# KiCad board DecentXE.kicad_pcb (continued)
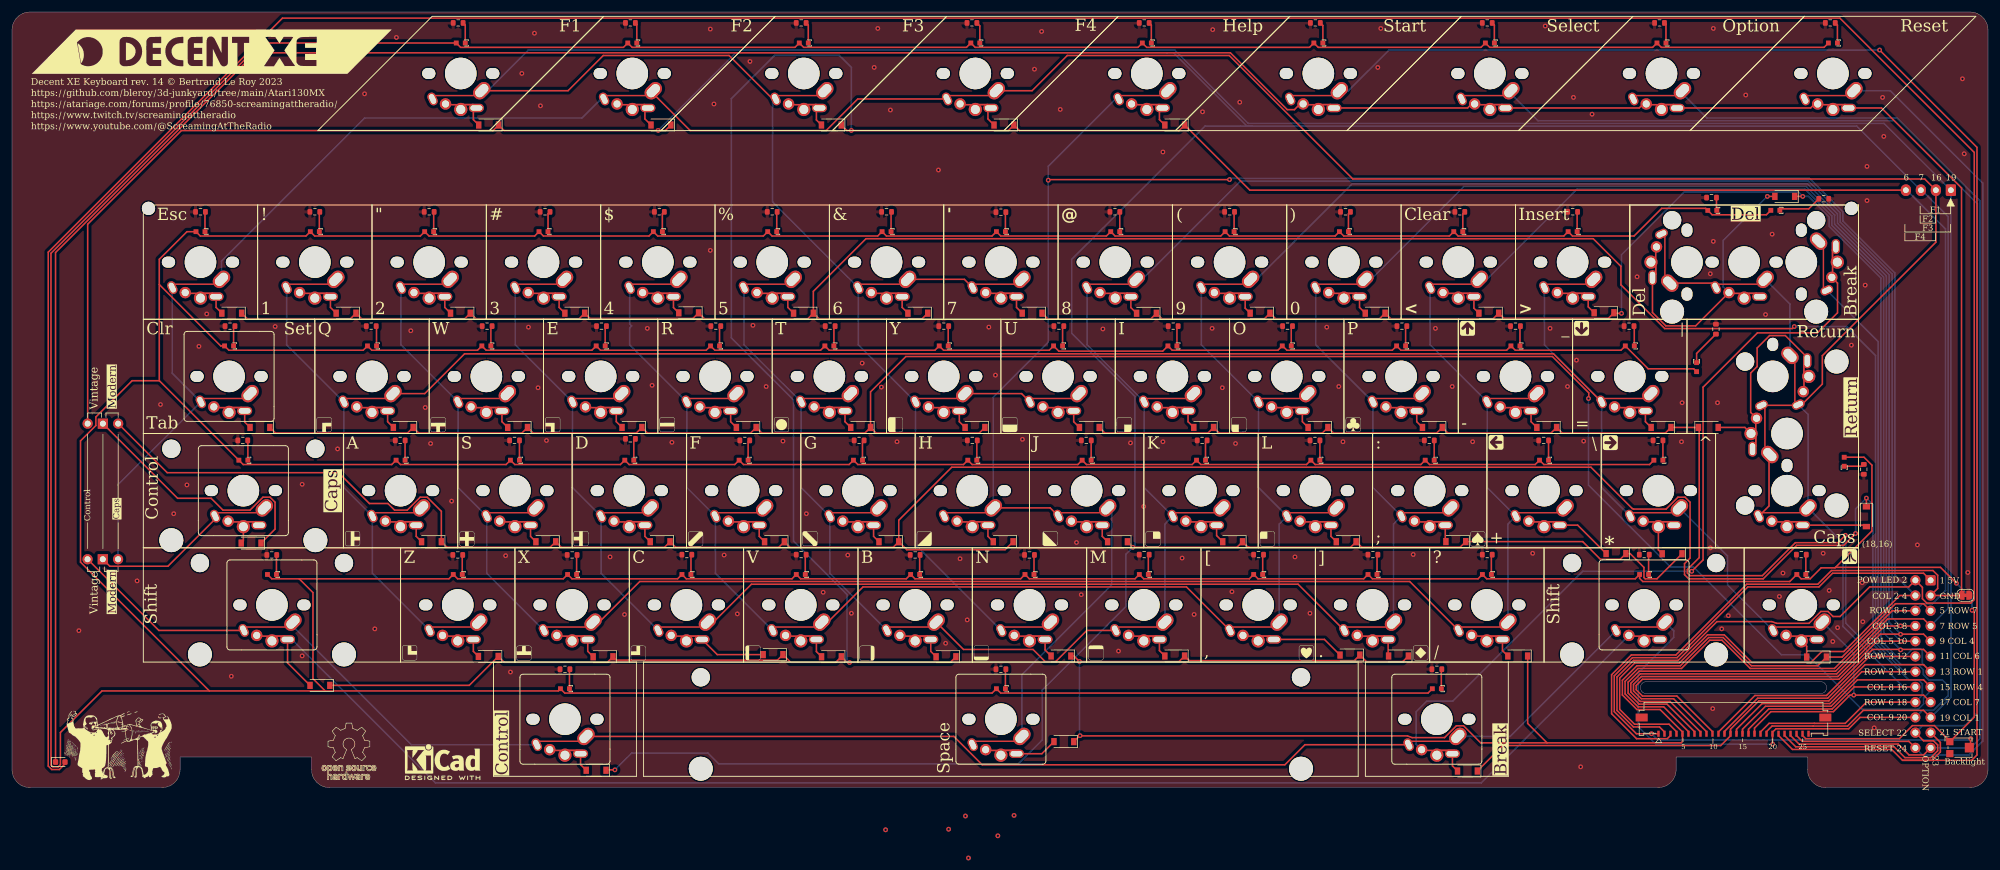
[diagram p0: board, top side]
## Routing (per net, layer and track width the routed paths; a pad name or vN(x,y) marks a point on that pad's centre or on a via; arc(x,y) is an arc through that point) (continued)
Net-(D112-A): length 3.2
  Top w0.25: SW1.2 53.05,80.05 54.01,79.09
Net-(D113-A): length 3.2
  Top w0.25: SWEqual1.2 272.12,61 D113.2
Net-(D114-A): length 3.2
  Top w0.25: 62.58,62.8 62.58,61 D114.2
Net-(D115-A): length 4.8
  Top w0.25: D115.2 274.29,39.62 SWStar1.2
Net-(D116-A): length 3.1
  Top w0.25: D116.2 67.34,41.88 SWA1.2
Net-(D117-A): length 3.1
  Top w0.25: D117.2 298.99,23.56 SWInv1.2
Net-(D118-A): length 3.2
  Top w0.25: SWZ1.2 76.86,22.71 D118.2
Net-(D119-A): length 42.5
  Top w0.25: SWDel1.2 273.3,79.2 275.52,76.98 280.49,76.98 SWDel2.2 ; v1(292.44,98.56) D119.2
  Bottom w0.25: v1(292.44,98.56) 285.09,91.21 285.09,83.47 SWDel2.2
Net-(D120-A): length 3.2
  Top w0.25: SWEsc1.2 34,80.05 D120.2
Net-(D121-A): length 29.2
  Top w0.25: SWRet2.2 288.7,60.04 D121.2 ; SWRet2.2 289.66,62.54 289.66,69.12 290.74,70.2 290.74,73.29 292.81,75.35 295.43,75.35 299.09,71.7
Net-(D122-A): length 3.1
  Top w0.25: D122.2 38.76,60.93 SWTab1.2
Net-(D123-A): length 3.3
  Top w0.25: D123.2 105.44,111.48 105.44,113.3
Net-(D124-A): length 10.4
  Top w0.25: SWCps1.2 308.7,43.75
Net-(D125-A): length 3.3
  Top w0.25: D125.2 162.59,111.48 162.59,113.3
Net-(D126-A): length 130.9
  Top w0.25: SWBrk2.2 239.98,3.61 D126.2 ; SWBrk1.2 304.13,84.11 304.13,79.15 300.78,75.8 290.78,75.8 281.73,66.75 281.73,37.95 v1(279.84,36.06)
  Bottom w0.25: SWBrk2.2 233.94,7.22 233.94,12.66 235.68,14.4 240.01,14.4 261.67,36.06 v1(279.84,36.06)
Net-(D127-A): length 3.1
  Top w0.25: SWCtl1.2 94.72,3.83 D127.2
Net-(D128-A): length 252
  Top w0.25: SWLeftSft1.2 45.91,20.78 D128.2
  Bottom w0.25: 46.63,24.7 70.55,0.78 244.77,0.78 SWRightSft1.2
Net-(JP1-C): length 22.5
  Top w0.25: 33.84,44.76 25.98,36.89 16.3,36.89 15.13,38.07
Net-(R1-Pad1): length 3.2
  Top w0.25: 165.5,95.86 SW7.3
Net-(R2-Pad1): length 3.2
  Top w0.25: 146.45,95.91 SW6.3
Net-(R3-Pad1): length 3.1
  Top w0.25: 175.02,76.73 SWU1.3
Net-(R4-Pad1): length 3.2
  Top w0.25: 155.98,76.86 SWY1.3
Net-(R5-Pad1): length 3.5
  Top w0.25: R5.1 75.51,127.12 SWFn1.3
Net-(R6-Pad1): length 3.2
  Top w0.25: 170.26,38.71 SWN1.3
Net-(R7-Pad1): length 3.5
  Top w0.25: R7.1 132.66,127.12 SWFn3.3
Net-(R8-Pad1): length 3.3
  Top w0.25: 179.79,57.87 SWJ1.3
Net-(R9-Pad1): length 3.2
  Top w0.25: 160.74,57.81 SWH1.3
Net-(R10-Pad1): length 3.2
  Top w0.25: 165.5,19.66 SWSpc1.3
Net-(R11-Pad1): length 3.5
  Top w0.25: 189.45,127.48 189.81,127.12 SWHlp1.3
Net-(R12-Pad1): length 3.3
  Top w0.25: 184.55,95.97 SW8.3
Net-(R13-Pad1): length 3.2
  Top w0.25: 127.4,95.91 SW5.3
Net-(R14-Pad1): length 3.1
  Top w0.25: 194.07,76.73 SWI1.3
Net-(R15-Pad1): length 3.1
  Top w0.25: 136.93,76.73 SWT1.3
Net-(R16-Pad1): length 3
  Top w0.25: 198.84,57.62 SWK1.3
Net-(R17-Pad1): length 3
  Top w0.25: 141.69,57.62 SWG1.3
Net-(R18-Pad1): length 3.2
  Top w0.25: 189.31,38.69 SWM1.3
Net-(R19-Pad1): length 3.2
  Top w0.25: 151.21,38.71 SWB1.3
Net-(R20-Pad1): length 3.2
  Top w0.25: 203.6,95.91 SW9.3
Net-(R21-Pad1): length 3.4
  Top w0.25: R21.1 108.35,95.65 SW4.3
Net-(R22-Pad1): length 3.1
  Top w0.25: 213.12,76.73 SWO1.3
Net-(R23-Pad1): length 3.1
  Top w0.25: 117.88,76.73 SWR1.3
Net-(R24-Pad1): length 3.3
  Top w0.25: 217.89,57.87 SWL1.3
Net-(R25-Pad1): length 3
  Top w0.25: 122.64,57.62 SWF1.3
Net-(R26-Pad1): length 3.2
  Top w0.25: 208.36,38.69 SWComma1.3
Net-(R27-Pad1): length 3.2
  Top w0.25: 132.16,38.69 SWV1.3
Net-(R28-Pad1): length 3.4
  Top w0.25: R28.1 222.65,95.65 SW0.3
Net-(R29-Pad1): length 3.4
  Top w0.25: R29.1 89.3,95.65 SW3.3
Net-(R30-Pad1): length 3.1
  Top w0.25: 232.18,76.73 SWP1.3
Net-(R31-Pad1): length 3.1
  Top w0.25: 98.83,76.73 SWE1.3
Net-(R32-Pad1): length 3.3
  Top w0.25: 236.94,57.87 SWSemi1.3
Net-(R33-Pad1): length 3.3
  Top w0.25: 103.59,57.87 SWD1.3
Net-(R34-Pad1): length 3.2
  Top w0.25: 227.41,38.69 SWPeriod1.3
Net-(R35-Pad1): length 3.2
  Top w0.25: 113.11,38.69 SWC1.3
Net-(R36-Pad1): length 3.4
  Top w0.25: R36.1 241.7,95.65 SWLT1.3
Net-(R37-Pad1): length 3.2
  Top w0.25: 70.25,95.91 SW2.3
Net-(R38-Pad1): length 3.2
  Top w0.25: 251.22,76.86 SWDash1.3
Net-(R39-Pad1): length 3.1
  Top w0.25: 79.78,76.73 SWW1.3
Net-(R40-Pad1): length 3.3
  Top w0.25: 255.99,57.87 SWPlus1.3
Net-(R41-Pad1): length 3.3
  Top w0.25: 84.54,57.87 SWS1.3
Net-(R42-Pad1): length 3.2
  Top w0.25: 246.46,38.69 SWSlash1.3
Net-(R43-Pad1): length 3.2
  Top w0.25: 94.06,38.71 SWX1.3
Net-(R44-Pad1): length 3.2
  Top w0.25: 260.75,95.91 SWGT1.3
Net-(R45-Pad1): length 3.2
  Top w0.25: 51.2,95.91 SW1.3
Net-(R46-Pad1): length 3.2
  Top w0.25: 270.27,76.88 SWEqual1.3
Net-(R47-Pad1): length 3.2
  Top w0.25: 60.72,76.88 SWQ1.3
Net-(R48-Pad1): length 3.3
  Top w0.25: 275.04,57.87 SWStar1.3
Net-(R49-Pad1): length 3.3
  Top w0.25: 65.49,57.87 SWA1.3
Net-(R50-Pad1): length 3.2
  Top w0.25: 298.85,38.76 SWInv1.3
Net-(R51-Pad1): length 3.2
  Top w0.25: 75.01,38.71 SWZ1.3
Net-(R52-Pad1): length 2.1
  Top w0.25: R52.1 283.96,96.27
Net-(R53-Pad2): length 3.2
  Top w0.25: 32.15,95.91 SWEsc1.3
Net-(R54-Pad1): length 6.1
  Top w0.25: SWRet1.3 280.65,72.38 R54.1
Net-(R55-Pad1): length 3.1
  Top w0.25: 36.91,76.7 SWTab1.3
Net-(R56-Pad1): length 3.4
  Top w0.25: SWFn2.3 104.09,127.24 103.85,127.48
Net-(R57-Pad1): length 3.4
  Top w0.25: R57.1 308.21,53.57 SWCps1.3
Net-(R58-Pad1): length 3.6
  Top w0.25: SWFn4.3 161.24,126.99 R58.1
Net-(R59-Pad1): length 3.2
  Top w0.25: 272.66,38.73 SWRightSft1.3
Net-(R60-Pad1): length 6.9
  Top w0.25: R60.1 299.34,96.48 294.77,96.48
Net-(R61-Pad1): length 3.2
  Top w0.25: 92.87,19.66 SWCtl1.3
Net-(R62-Pad1): length 3.2
  Top w0.25: 44.06,38.74 SWLeftSft1.3
Net-(R63-Pad1): length 3.5
  Top w0.25: R63.1 218.39,127.05 SWStart1.3
Net-(R64-Pad1): length 3.5
  Top w0.25: SWSelect1.3 246.96,127.12 R64.1
Net-(R65-Pad1): length 3.5
  Top w0.25: R65.1 275.55,127.23 SWOption1.3
Net-(R66-Pad1): length 3.5
  Top w0.25: SWReset1.3 304.11,127.12 R66.1
Net-(R67-Pad1): length 3.3
  Top w0.25: 39.29,57.86 SWCtlCaps1.3
Net-(R68-Pad2): length 3.2
  Top w0.25: 238.13,19.66 SWBrk2.3

## Copper pours and planes (outline as drawn; the poured copper is in the pictures)
LED_GND on Top, Bottom: 329.82,-0.84 -0.76,-0.64 -0.38,129.97 329.82,129.97

## Text on the board
B.Silkscreen: Control | Caps | 17 - COL 7 | 16 - COL 8 | (18,16) | 6 ROW 8 | 14 - ROW 2 | 15 - ROW 4 | 18 - ROW 6 | 6 - ROW 8 | 2 POW LED | 4 COL 2 | 8 COL 3 | 10 COL 5 | 12 ROW 3 | 14 ROW 2 | 16 COL 8 | 18 ROW 6 | 20 COL 9 | 22 SELECT | 24 RESET | (6,20) | (7,19) | (7,20) | (7,16) | (6,19) | (6,16) | (5,4) | (6,4) | (3,21) | (13,20) | (3,22) | (3,23) | (3,24) | 6 | F4 | 7 | F2 | F3 | F1 | 16 | 19 | 7 - ROW 5 | 12 - ROW 3 | 13 - ROW 1 | 5 - ROW 7 | 5V 1 | GND 3 | ROW 7 5 | ROW 5 7 | COL 4 9 | COL 6 11 | ROW 1 13 | ROW 4 15 | COL 7 17 | COL 1 19 | START 21 | OPTN 23 | (12,16) | 11 - COL 6 | 10 - COL 5 | 9 - COL 4 | 8 - COL 3 | 4 - COL 2 | 19 - COL 1 | Decent XE Keyboard rev. 14 © Bertrand Le Roy 2023 / https://github.com/bleroy/3d-junkyard/tree/main/Atari130MX / https://atariage.com/forums/profile/76850-screamingattheradio/ / https://www.youtube.com/@ScreamingAtTheRadio / https://www.twitch.tv/screamingattheradio | Return | Set | _ | \ | | | ^ | Space | Break | Del | Help | Start | Select | Option | Reset | Clr | Esc | Shift | ! | Q | A | {dblquote} | Z | W | S | # | X | E | D | $ | C | R | F | % | V | T | G | & | B | Y | H | N | U | J | M | I | K | [ | ( | O | L | ] | ) | P | : | Clear | ? | Insert | 1 | 2 | 3 | 4 | 5 | 8 | 9 | 0 | Tab | , | . | ; | / | - | + | = | ' | @ | < | > | *
F.Silkscreen: 5 | 10 | 15 | 20 | 25 | Backlight | 1 5V | GND | 5 ROW 7 | 7 ROW 5 | 9 COL 4 | 11 COL 6 | 13 ROW 1 | 15 ROW 4 | 17 COL 7 | 19 COL 1 | 21 START | (18,16) | 6 | F4 | 7 | F2 | F3 | F1 | 16 | 19 | ROW 8 6 | POW LED 2 | COL 2 4 | COL 3 8 | COL 5 10 | ROW 3 12 | ROW 2 14 | COL 8 16 | ROW 6 18 | COL 9 20 | SELECT 22 | RESET 24 | Control | Caps | 23 / OPTION | Decent XE Keyboard rev. 14 © Bertrand Le Roy 2023 / https://github.com/bleroy/3d-junkyard/tree/main/Atari130MX / https://atariage.com/forums/profile/76850-screamingattheradio/ / https://www.twitch.tv/screamingattheradio / https://www.youtube.com/@ScreamingAtTheRadio | Clr | Esc | ! | Q | A | {dblquote} | Z | W | S | # | X | E | D | $ | C | R | F | % | V | T | G | & | B | Y | H | N | U | J | M | I | K | ( | [ | O | L | ) | ] | P | : | Clear | ? | Insert | 1 | 2 | 3 | 4 | 8 | 9 | 0 | Del | Tab | , | . | ; | / | - | + | = | Set | Help | Start | _ | \ | Select | | | ^ | Option | Return | Reset | Shift | Space | Break | ' | @ | < | > | *
